# Altium PCB InsaneKeyboard.PcbDoc (part 3 of 5)
Units mil, origin at the board's own origin, x right, y up, seen from the top; angles counter-clockwise.
Board outline 7442.83 x 6333.68 mil, 2 copper layers (Top Layer, Bottom Layer), stack 61.756 mil thick; 289 components, 175 nets, 928 pads, 1163 vias.
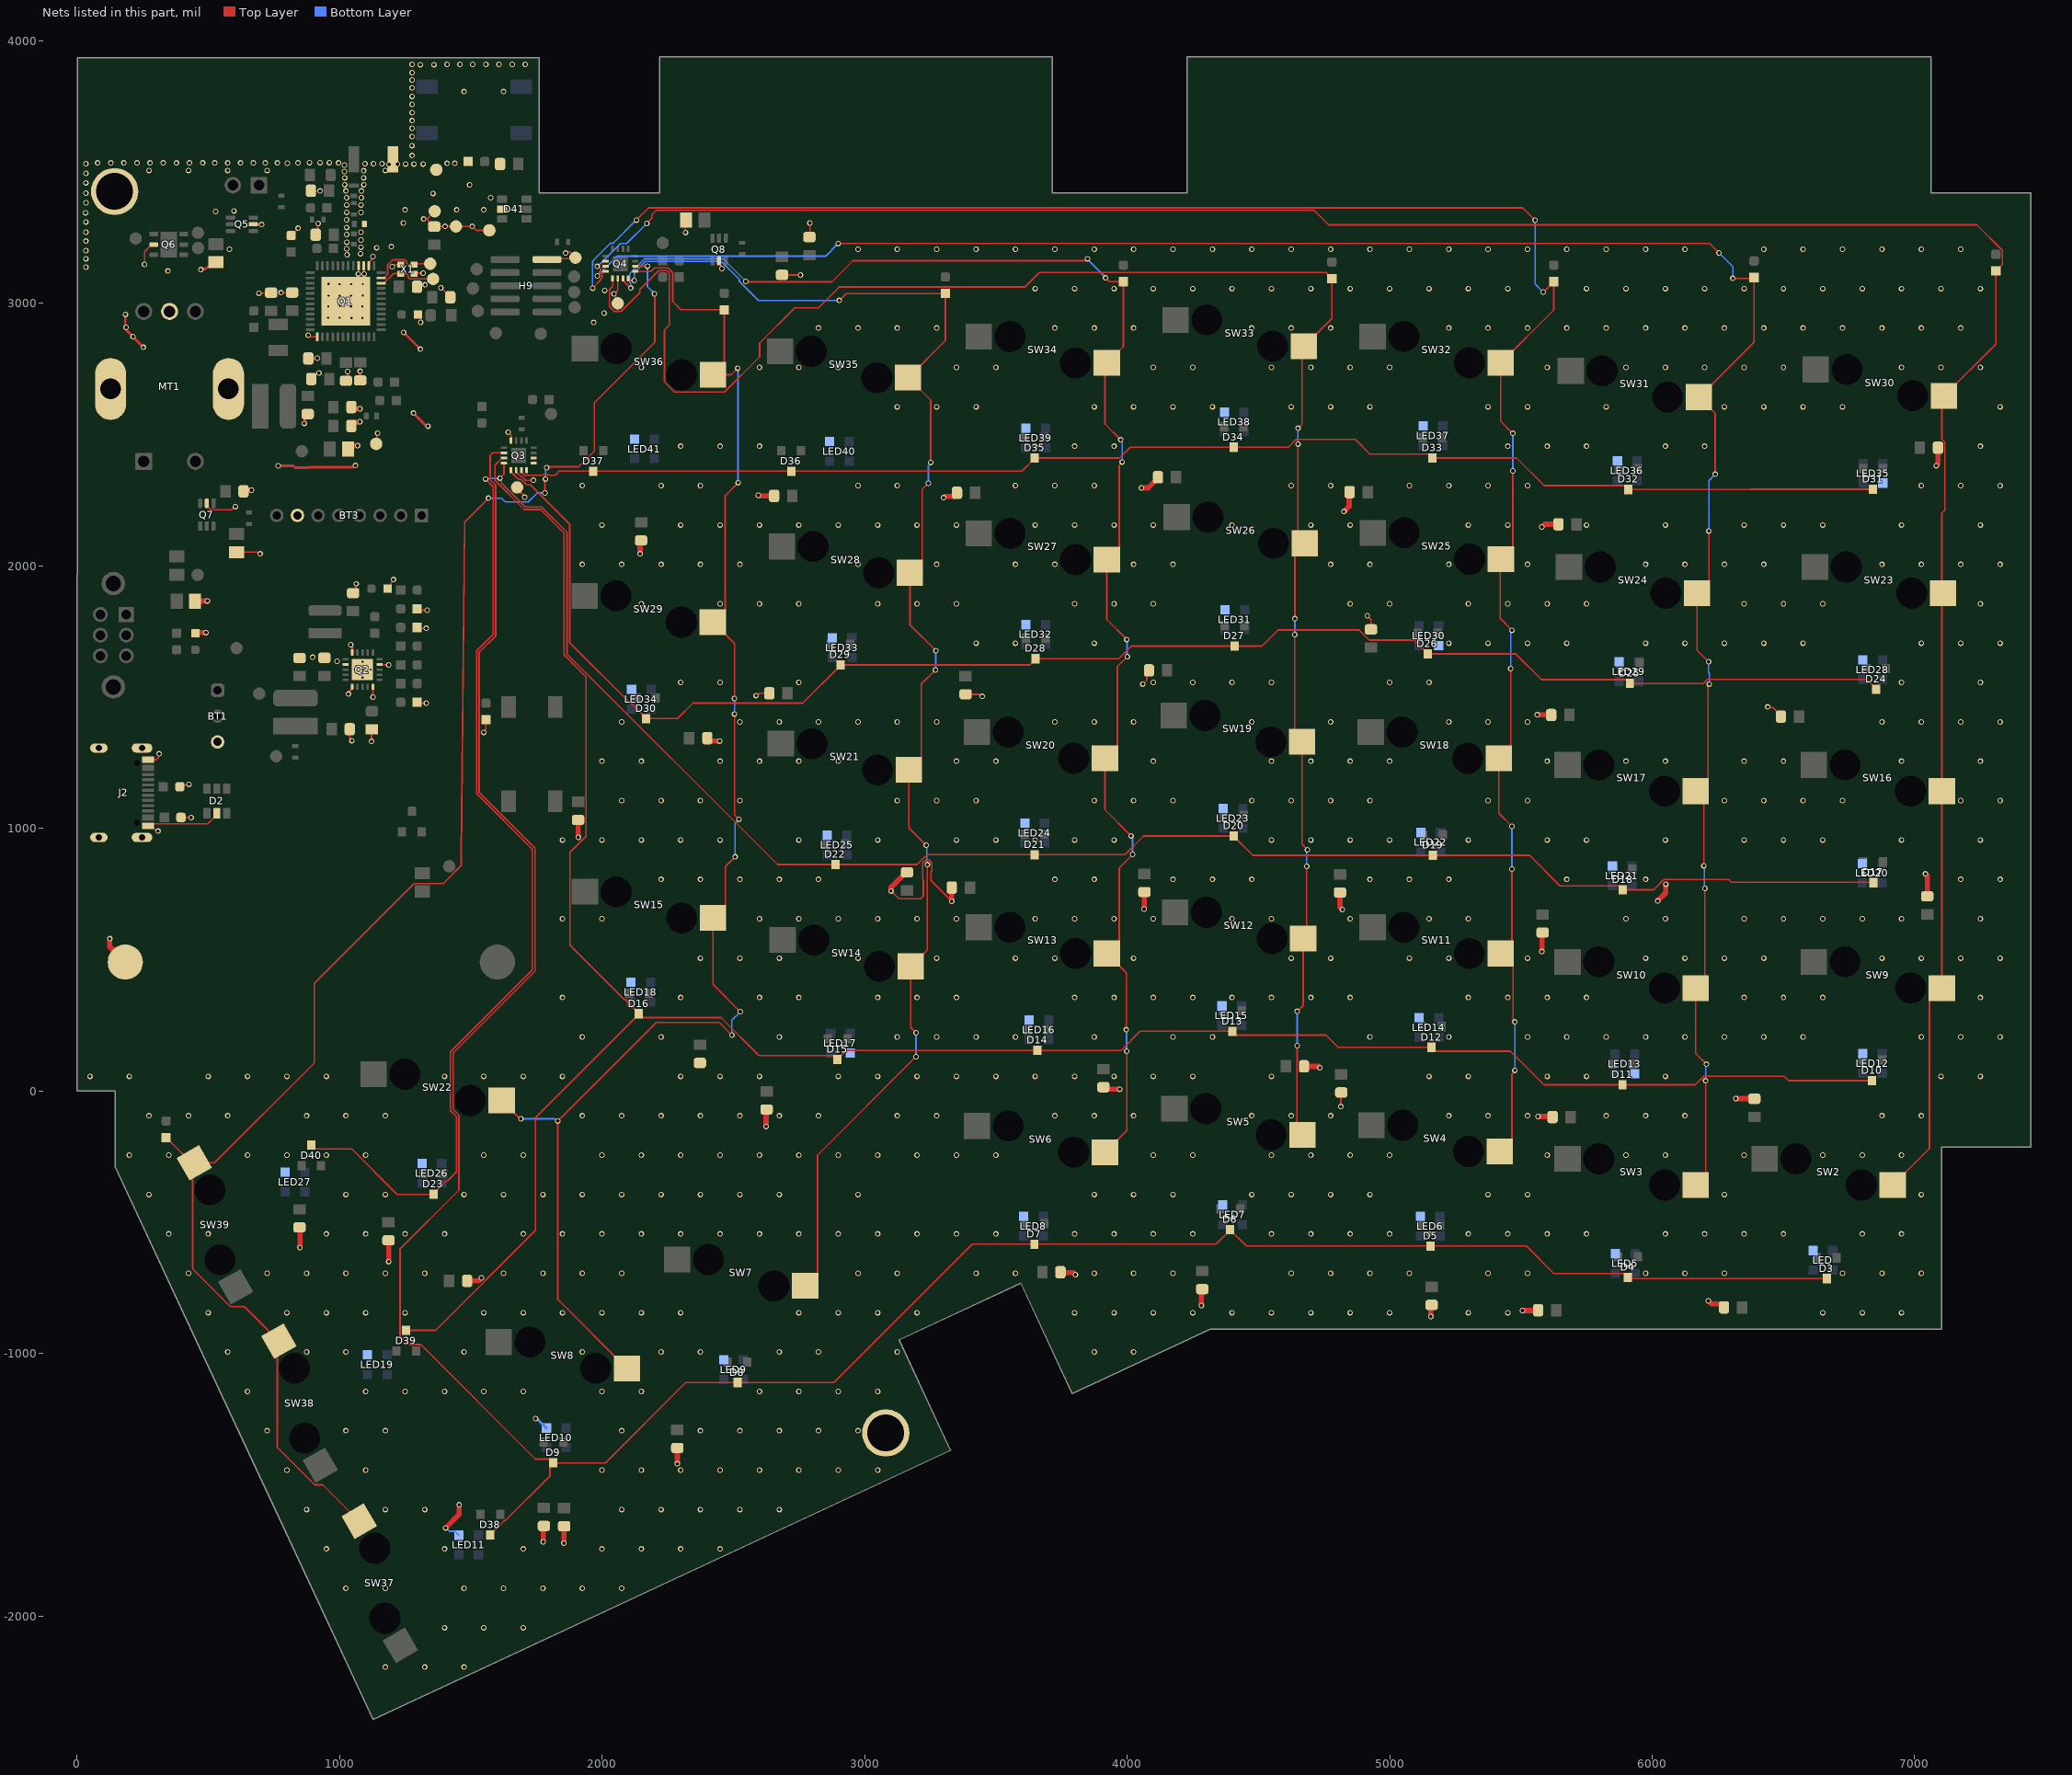
[diagram p3: the nets of this part, all layers, seen from the top]

## Via types
v1: diameter 21, hole 13, Top Layer to Bottom Layer, tented both sides, 1134 vias
v2: diameter 21, hole 13, Top Layer to Bottom Layer, 29 vias

## Nets (pads, with @x,y where several pads share a name; then routed paths per layer and width w, separated by ;. In a path a pad name is that pad's centre, name@x,y a point inside that pad or via, vN(x,y) a via of type N, cw(c..) or ccw(c..) an arc to the next point about the centre after c; other vN are vias at no path point) (continued)
GND: ATT1.GND BT1.3 BT2.N BT3.7 C1.2 C2.2 C3.2 C4.2 C5.2 C6.2 C7.2 C8.2 C9.2 C10.2 C11.2 C12.2 C13.2 C14.2 C15.2 C16.2 C17.2 C18.1 C19.2 C20.2 C21.2 C22.2 C25.2 C26.2 C27.2 C28.2 C29.2 C30.2 C31.2 C32.2 C33.2 C34.2 C35.2 C36.2 C37.2 C38.2 C39.2 C40.2 C41.2 C42.2 C43.2 C44.2 C45.2 C46.2 C47.2 C48.2 C49.2 C50.2 C51.2 C52.2 C53.2 C54.2 C55.2 C56.2 C57.2 C58.2 C59.2 C60.2 C61.2 C62.2 C63.2 C64.2 C65.2 C66.2 C67.2 C68.2 C69.2 C70.2 D2.2 D41.2 H1.1 H2.1 H9.2 J2.A1_B12 J2.B1_A12 J2.S1 J2.S2 J2.S3 J2.S4 LED1.C LED2.C LED4.C LED5.4-GND LED6.4-GND LED7.4-GND LED8.4-GND LED9.4-GND LED10.4-GND LED11.4-GND LED12.4-GND LED13.4-GND LED14.4-GND LED15.4-GND LED16.4-GND LED17.4-GND LED18.4-GND LED19.4-GND LED20.4-GND LED21.4-GND LED22.4-GND LED23.4-GND LED24.4-GND LED25.4-GND LED26.4-GND LED27.4-GND LED28.4-GND LED29.4-GND LED30.4-GND LED31.4-GND LED32.4-GND LED33.4-GND LED34.4-GND LED35.4-GND LED36.4-GND LED37.4-GND LED38.4-GND LED39.4-GND LED40.4-GND LED41.4-GND LED.4-GND MT1.COM MT1.S1 MT1.S2 Q1.14 Q1.15 Q1.16 Q1.37 Q1.49 Q2.1 Q2.5 Q2.9 Q2.15 Q2.17 Q2.21 Q3.6 Q3.16 Q4.6 Q5.2 Q6.2 Q7.2 Q8.2 R3.2 R6.1 R7.1 R9.2 R10.2 R15.1 R17.1 R38.1 TP1.1 TP22.1 TP25.1 TP28.1 TP29.1 TP30.1 TP31.1 TP32.1 X1.2 X1.4 | length 7843
  Top Layer w6: v1(125,579) v1@125.14,578.86 ; v1(258,3147) 258,3195.96 285.04,3223 Q6.2@292.91,3223 ; J2.A1_B12@271,1261.14 302.44,1261.14 310.13,1268.83 310.13,1280.13 v1(313,1283) ; v1(309.07,988.94) 306.19,991.81 299,991.81 281.63,1009.17 288.9,1016.44 498.01,1016.44 522.21,1040.65 522.21,1046.61 D2.2@532.99,1057.39 ; R9.2@392.49,1158.16 398.46,1164.13 424.13,1164.13 v1(427,1167) ; R10.2@396.49,1041.16 396.78,1040.87 434.87,1040.87 v1@435,1041 ; Q7.2@495,2237.31 495,2227.41 509.82,2212.59 588.83,2212.59 601.24,2225 v1(604,2225) ; C70.2@608,2051.35 687.56,2051.35 693.91,2045 v1@700,2045 ; Q5.2@672.31,3300 672.81,3299.5 703.5,3299.5 v1(704,3299) ; v1(692.91,3037.77) 738.32,3037.77 C10.2@740,3039.45 ; v1(778,3040) C11.2@820,3040 ; R3.2@816,3257.5 816,3257.75 843,3284.75 v1(843,3285) ; C56.2@848,-520.45 C56.2@850,-522.45 ; v1(881.16,2877.81) 885.22,2877.81 891.17,2871.87 Q1.37@914.5,2871.87 ; C4.2@891.55,3428 892.55,3427 v1(926.26,3427) ; C5.2@909.55,3260 910.55,3259 917.44,3265.89 917.44,3302.53 v1(918.48,3303.57) ; Q1.49@955.76,2944.1 956.26,2944.6 956.26,2986.6 Q1.49@957.26,2987.6 ; Q1.49@957.76,3028.1 957.26,3027.6 Q1.49@957.26,2987.6 ; Q1.49@999.76,3028.1 1000.26,3027.6 1000.26,2988.6 1000.76,2988.1 Q1.49@1000.26,2987.6 ; C12.2@1025,2704.55 1031,2710.55 v1(1031,2739) ; C17.2@1039.35,1376.91 1039.35,1344.44 1047,1336.79 v1@1047,1334 ; Q1.49@1044.76,2943.1 Q1.49@1044.26,2943.6 ; v1(1072,3111) Q1.16@1071.99,3142.33 ; Q1.49@1087.76,3029.1 1087.26,3028.6 1087.26,2987.6 1086.76,2987.1 Q1.49@1043.76,2987.1 ; Q1.15@1091.66,3142.34 1092.83,3141.17 1092.83,3112.17 v1(1094,3111) ; Q1.49@1111.35,3095.69 1043.76,3028.1 Q1.49@1043.76,2987.1 ; Q1.14@1111.35,3142.34 1111.35,3154.15 1124.71,3167.51 1124.71,3172.07 v1@1127.58,3174.94 ; v1@1122,1331 1122.5,1331.5 1122.5,1375.19 C18.1@1123.86,1376.55 ; Q2.5@1127.37,1539.04 1127.9,1538.51 1127.9,1500.1 v1@1128,1500 ; TP30.1@1140,2464 1142.75,2466.75 1142.75,2502.75 v1@1145,2505 ; Q2.9@1152.96,1623.68 1153.8,1622.84 1187.16,1622.84 v1(1188,1622) ; LED4.C@1184.5,1912 1197.24,1924.75 1197.24,1934.19 1206,1942.94 v1(1206,1947) ; C51.2@1187,-569.45 C51.2@1188,-570.45 ; v1(1201.52,3138.48) 1204.44,3138.48 1211.96,3146 X1.2@1233.9,3146 ; X1.4@1284.1,3112 1286.1,3114 v1(1319,3114) ; C2.2@1295.45,3062 1302.92,3069.47 v1(1326.25,3069.47) ; R15.1@1296.39,1479.91 1299.81,1476.5 1330.5,1476.5 v1@1331,1477 ; R17.1@1296.39,1764.58 1299.47,1761.5 1329.5,1761.5 v1@1330,1762 ; R7.1@1296.39,1835.74 1301.64,1830.5 1333.5,1830.5 v1@1334,1831 ; LED2.C@1299.5,2956 1309,2946.5 v1(1309,2926.94) ; v1(1321,3320) 1333.55,3320 1340.5,3313.05 1340.5,3311.72 1360.22,3292 v1(1506,3292) 1521,3277 TP25.1@1571,3277 ; 1333,3320 TP1.1@1363,3350 ; v1(1386,3058) 1388.19,3058 1421.13,3025.06 C3.2@1422.45,3025.06 ; v1(1550,1365) 1550,1369.06 1558,1377.06 R38.1@1558,1413.01 ; v1(1643,2508) 1643,2507.78 1653.47,2497.31 Q3.16@1653.47,2476.5 ; Q3.6@1673.16,2356.81 1691.35,2338.62 1696.89,2338.62 1710.01,2325.5 1737.5,2325.5 v1@1738,2326 ; TP32.1@1677,2298 1677,2293.06 1705.03,2265.03 v1@1705.03,2260.97 ; C61.2@1776,-1660.45 C61.2@1779,-1657.45 ; H9.2@1791,3166 1794.5,3169.5 TP28.1@1897.5,3169.5 ; C68.2@1855,-1659.45 C68.2@1856,-1658.45 ; v1(1861.29,3190.71) 1865.35,3190.71 1870.37,3195.72 1876.71,3195.72 TP28.1@1897.43,3175 ; C27.2@1909,1031.55 C27.2@1910,1030.55 ; TP29.1@2060,2999 2052.11,3006.89 2052.11,3024.83 2046,3030.94 v1(2046,3035) 2046.62,3035 2060.08,3048.46 2060.08,3093.42 Q4.6@2060.16,3093.5 ; C38.2@2145,2092.1 C38.2@2149,2096.1 ; v1(2318,3269) 2318,3314.65 C30.2@2320.35,3317 ; Q8.2@2446,3160.69 2446,3150.34 2454.13,3142.21 2454.13,3134.37 v1(2457,3131.5) ; v1(2587,1505) 2591.06,1505 2600.06,1514 C42.2@2637.55,1514 ; v1(2595,2268) v1@2597,2266 ; C53.2@2625,-73.45 C53.2@2627,-71.45 ; C29.2@2686,3107.55 2686.55,3107 v1(2756,3107) ; C26.2@2790,3251.45 2792,3253.45 v1(2792,3305) ; v1(3101,761) 3131,731 3214,731 3224.25,741.25 3224.25,803.38 3221.5,806.12 3221.5,868.25 3231.75,878.5 3246.25,878.5 3256.5,868.25 3256.5,836.87 3252.5,832.87 3252.5,801.5 v1(3332,722) ; C43.2@3385,1510.1 3435.84,1510.1 3443.94,1502 v1(3448,1502) ; C67.2@3746.45,-691 C67.2@3748.45,-693 ; C52.2@3910,13.55 C52.2@3917.2,6.35 ; v1@3971.65,6.35 v1(3972,6) ; v1(4060,1549) 4075.32,1564.32 4075.32,1592.77 C44.2@4083.55,1601 ; C66.2@4283,-758.45 C66.2@4286,-755.45 ; v1(4814,-60) 4814,-8.45 C65.2@4816,-6.45 ; v1(4915,1809) 4929,1795 C45.2@4929,1757.45 ; C64.2@5157,-818.45 C64.2@5160,-815.45 ; C63.2@5564.55,-837 C63.2@5565.55,-836 ; C46.2@5614.55,1432 C46.2@5615.55,1431 ; C62.2@5618.55,-98 C62.2@5620.55,-100 ; C60.2@6387.45,-29 C60.2@6389,-30.55 ; v1(6440,1462) 6442.01,1459.99 6459.5,1459.99 6490.55,1428.94 C31.2@6490.55,1425 ; Q1.49@957.26,2987.6 Q1.49@1000.26,2987.6 ; Q1.49@1000.26,2987.6 1000.26,2944.6 999.76,2944.1 1000.26,2943.6 Q1.49@1044.26,2943.6 ; Q1.49@1043.76,2987.1 1044.26,2986.6 Q1.49@1044.26,2943.6
  Top Layer w10: v1(184.66,2957) 184.66,2914.34 185.64,2913.36 185.64,2912.29 189.93,2908 v1@191,2908 ; v1(187.75,2907.2) 189.85,2905.1 189.85,2896.15 213.32,2872.68 213.32,2871.32 v1(253.2,2831.45) ; v1(472,3127.26) 474.1,3129.36 489.86,3129.36 498.37,3137.87 511.17,3137.87 C28.2@529,3155.71 ; v1(766.87,2380.5) 823.94,2380.5 831.06,2373.38 882.41,2373.38 884.03,2375 1052.02,2375 1058.21,2381.19 v1(1061.19,2381.19) ; v1(866,2542) 868.1,2544.1 868.1,2566.66 C6.2@879,2577.55 ; C13.2@881.55,2789 882.55,2788 883.55,2789 916,2789 917,2790 v1(916,2790) ; C9.2@892.55,2711 892.55,2712.32 912.13,2731.9 919.9,2731.9 v1(922,2734) ; v1(1034,1511) 1036.1,1513.1 1036.1,1519.98 1048.63,1532.5 Q2.1@1048.63,1539.04 ; v1(1043,1699) 1043,1696.02 1048.35,1690.67 1048.35,1669.24 Q2.15@1048.63,1668.96 ; C19.2@1052,1895.45 1061.9,1905.34 1061.9,1928.9 v1(1064,1931) ; C8.2@1079,2705.55 v1(1079,2740.26) ; v1(1244.38,2888.38) 1244.5,2888.38 1308.38,2824.5 v1(1308.5,2824.5) ; v1(1282.27,2580.93) 1329.5,2533.69 1335.05,2533.69 v1(1337.16,2531.59)
  Top Layer w20: v1@125.14,578.86 125.14,549.2 BT2.N@184.34,490 ; C22.2@450.5,1865.5 496.23,1865.5 496.73,1866 v1(497,1866) ; LED1.C@458.5,1745 v1(492,1745) ; C69.2@634.8,2283.39 638.84,2287.43 665.37,2287.43 v1(665.56,2287.62) ; v1(850,-597) 849.81,-596.81 849.81,-522.64 C56.2@850,-522.45 ; C25.2@1032.27,2444.62 1044.45,2456.81 1068.81,2456.81 v1(1069,2457) ; C21.2@1045.45,2532 1045.45,2535.94 1055.13,2545.62 1075.35,2545.62 1077.73,2548 v1(1078,2548) ; C20.2@1045.45,2604 1051.61,2597.84 1077.98,2597.84 v1(1078.17,2597.65) ; v1(1188,-651) 1187.81,-650.81 1187.81,-570.64 C51.2@1188,-570.45 ; v1(1404,-1665) 1455.81,-1613.19 1455.81,-1577.19 v1(1456,-1577) ; C55.2@1486.45,-724 1529.73,-724 1540.73,-713 v1(1541,-713) ; v1(1776,-1718) 1776.19,-1717.81 1776.19,-1660.64 C61.2@1776,-1660.45 ; v1(1855,-1723) 1855.19,-1722.81 1855.19,-1659.64 C68.2@1855,-1659.45 ; v1(1910,965) 1909.81,965.19 1909.81,1030.36 C27.2@1910,1030.55 ; v1(2145,2045) 2145.19,2045.19 2145.19,2091.91 C38.2@2145,2092.1 ; v1(2287,-1421) C57.2@2287,-1360.45 ; C41.2@2401,1343 2401,1341.88 2410.69,1332.19 2447.81,1332.19 v1(2448,1332) ; v1@2595.33,2267.67 2595.46,2267.81 2597.27,2266 C37.2@2655.55,2266 ; v1(2625,-136) 2625.19,-135.81 2625.19,-73.64 C53.2@2625,-73.45 ; v1(3101,761) 3101.19,761.19 3101.19,775.03 3158.06,831.9 C40.2@3162,831.9 ; v1(3301,2259) 3301.27,2259 3306.13,2263.86 3342.69,2263.86 3352.38,2273.55 C36.2@3352.38,2277.48 ; v1(3332,722) 3332.19,722.19 3332.19,773.64 C39.2@3332.55,774 ; C67.2@3748.45,-693 3795.42,-693 3802.73,-700.31 v1(3803,-700.31) ; C52.2@3917.2,6.35 3917.36,6.19 3971.54,6.19 v1@3971.67,6.33 ; v1(4055,2296) 4055.19,2296.19 4080.66,2296.19 4117.31,2332.85 C35.2@4117.31,2336.78 ; v1(4065,692) 4065.19,692.19 4065.19,756.29 C50.2@4066,757.1 ; v1(4283,-818) 4283.19,-817.81 4283.19,-758.64 C66.2@4283,-758.45 ; C58.2@4674,93 4729.23,93 4734.23,88 v1(4734.5,88) ; C49.2@4811,755.1 4811,699.27 4820,690.27 v1(4820,690) ; v1(4826,2206) 4826,2206.27 4846.11,2226.38 4846.11,2278.56 C34.2@4847.55,2280 ; v1(5157,-860) 5157.19,-859.81 5157.19,-818.64 C64.2@5157,-818.45 ; v1(5506,-837) 5506.19,-836.81 5564.36,-836.81 C63.2@5564.55,-837 ; v1(5562,1432) 5562.19,1431.81 5614.36,1431.81 C46.2@5614.55,1432 ; v1(5565,-98) 5565.19,-98.19 5618.36,-98.19 C62.2@5618.55,-98 ; v1(5580,530) 5580.19,530.19 5580.19,600.01 C48.2@5582.51,602.33 ; v1(5580,2147) 5580.27,2147 5590.77,2157.5 C33.2@5642.87,2157.5 ; v2(6021,723) 6051.81,753.81 6051.81,786.81 v2(6052,787) ; v1(6214,-800) 6214.27,-800 6225.65,-811.38 6263.87,-811.38 6273.55,-821.06 C59.2@6273.55,-825 ; v1(6318,-29.5) 6318.19,-29.69 6386.76,-29.69 C60.2@6387.45,-29 ; v1(7041,826) 7041,825.73 7048,818.73 C47.2@7048,740.9 ; v1(7082,2381) 7082,2381.27 7088.45,2387.72 C32.2@7088.45,2449
  Bottom Layer w6: v1(1404,-1665) 1405.81,-1665 1418.7,-1677.88 1439.88,-1677.88 LED11.4-GND@1454.6,-1692.6
  Bottom Layer w10: v1(1747,-1249) 1749.1,-1251.1 1755.1,-1251.1 LED10.4-GND@1788.6,-1284.6
  other v1: 1175,-2195 1325,-2195 1475,-2195 1400,-2045 1550,-2045 1700,-2045 1025,-1895 1175,-1895 1475,-1895 1625,-1895 1775,-1895 1925,-1895 2075,-1895 950,-1745 1400,-1745 1700,-1745 2000,-1745 2150,-1745 2300,-1745 2450,-1745 875,-1595 1175,-1595 1325,-1595 2075,-1595 2225,-1595 2375,-1595 2525,-1595 2675,-1595 800,-1445 1100,-1445 2000,-1445 2150,-1445 2300,-1445 2450,-1445 2600,-1445 2750,-1445 2900,-1445 3050,-1445 725,-1295 1025,-1295 1175,-1295 2075,-1295 2375,-1295 2525,-1295 2675,-1295 2825,-1295 2975,-1295 650,-1145 1100,-1145 1250,-1145 1400,-1145 1550,-1145 1700,-1145 2000,-1145 2150,-1145 2600,-1145 2750,-1145 2900,-1145 3050,-1145 575,-995 875,-995 1025,-995 1475,-995 1925,-995 2225,-995 2375,-995 2675,-995 2825,-995 3125,-995 3875,-995 4025,-995 500,-845 800,-845 950,-845 1100,-845 1250,-845 1550,-845 1700,-845 1850,-845 2000,-845 2150,-845 2300,-845 2750,-845 2900,-845 3050,-845 3200,-845 3800,-845 3950,-845 4100,-845 4250,-845 4400,-845 4550,-845 4700,-845 4850,-845 5000,-845 5300,-845 5450,-845 6650,-845 6800,-845 6950,-845 425,-695 725,-695 875,-695 1025,-695 1175,-695 1325,-695 1625,-695 1775,-695 1925,-695 2075,-695 2525,-695 2975,-695 3125,-695 3425,-695 3575,-695 3875,-695 4025,-695 4175,-695 4625,-695 4775,-695 4925,-695 5075,-695 5375,-695 5525,-695 5975,-695 6125,-695 6275,-695 6725,-695 6875,-695 7025,-695 350,-545 500,-545 950,-545 1100,-545 1250,-545 1400,-545 1700,-545 1850,-545 2000,-545 2150,-545 2300,-545 2450,-545 2600,-545 2750,-545 2900,-545 3050,-545 3200,-545 3350,-545 3500,-545 3800,-545 3950,-545 4100,-545 4250,-545 4550,-545 4700,-545 4850,-545 5000,-545 5150,-545 5300,-545 5450,-545 5600,-545 5750,-545 6050,-545 6200,-545 6350,-545 6500,-545 6800,-545 6950,-545 275,-395 1025,-395 1175,-395 1475,-395 1625,-395 1775,-395 1925,-395 2075,-395 2225,-395 2375,-395 2525,-395 2675,-395 2975,-395 3875,-395 4025,-395 4175,-395 4475,-395 4625,-395 4775,-395 4925,-395 5375,-395 5525,-395 6275,-395 7025,-395 200,-245 350,-245 650,-245 800,-245 950,-245 1100,-245 1550,-245 1700,-245 2000,-245 2150,-245 2300,-245 2450,-245 2600,-245 2750,-245 2900,-245 3050,-245 3200,-245 3350,-245 3500,-245 4100,-245 4250,-245 4550,-245 4700,-245 4850,-245 5000,-245 5600,-245 5900,-245 6050,-245 6350,-245 6650,-245 6800,-245 6950,-245 275,-95 425,-95 575,-95 875,-95 1025,-95 1175,-95 1925,-95 2075,-95 2225,-95 2375,-95 2525,-95 2675,-95 2825,-95 3125,-95 3275,-95 3725,-95 3875,-95 4025,-95 4475,-95 4625,-95 4775,-95 5225,-95 5375,-95 5525,-95 5825,-95 5975,-95 6125,-95 6875,-95 7025,-95 50,55 200,55 500,55 650,55 800,55 950,55 1400,55 1550,55 1700,55 1850,55 2300,55 2450,55 2600,55 2900,55 3050,55 3200,55 3350,55 3500,55 3650,55 3800,55 3950,55 4100,55 4250,55 4550,55 5150,55 5300,55 5600,55 5750,55 6050,55 7100,55 7250,55 1925,205 2225,205 2675,205 3125,205 3275,205 3425,205 3575,205 3875,205 4175,205 4325,205 4925,205 5225,205 5525,205 5675,205 5825,205 5975,205 6125,205 6275,205 6425,205 6575,205 7025,205 7175,205 7325,205 1850,355 2300,355 2600,355 2750,355 3050,355 3200,355 3350,355 3800,355 3950,355 4100,355 4250,355 4400,355 4550,355 4700,355 4850,355 5300,355 5450,355 5600,355 5750,355 6350,355 6500,355 6650,355 7250,355 2375,505 2525,505 2675,505 2975,505 3275,505 3575,505 3725,505 4025,505 4625,505 4775,505 5075,505 5225,505 5525,505 5975,505 6125,505 6275,505 6425,505 6875,505 7025,505 7175,505 7325,505 1850,655 2000,655 2600,655 2750,655 2900,655 3050,655 3200,655 3350,655 3650,655 3800,655 3950,655 4100,655 4400,655 4550,655 4850,655 5150,655 5300,655 5900,655 6050,655 6350,655 6500,655 6650,655 6800,655 6950,655 7250,655 2225,805 2375,805 2525,805 2675,805 2825,805 3725,805 3875,805 4175,805 4325,805 4475,805 4925,805 5075,805 5225,805 5675,805 5975,805 7175,805 7325,805 1850,955 2000,955 2150,955 2300,955 2450,955 2750,955 3050,955 3350,955 3500,955 3650,955 3800,955 3950,955 4550,955 4700,955 4850,955 5000,955 5300,955 5600,955 5750,955 6050,955 6350,955 6500,955 6650,955 6950,955 7250,955 435.42,1040.58 2075,1105 2225,1105 2375,1105 2525,1105 3125,1105 3275,1105 3425,1105 3875,1105 4025,1105 4175,1105 4475,1105 4625,1105 4775,1105 4925,1105 5375,1105 5525,1105 6275,1105 6425,1105 6575,1105 6725,1105 7175,1105 7325,1105 2000,1255 2150,1255 2450,1255 2600,1255 2750,1255 2900,1255 3350,1255 3500,1255 4100,1255 4550,1255 4700,1255 4850,1255 5000,1255 5600,1255 5900,1255 6050,1255 6350,1255 6500,1255 6950,1255 7250,1255 1122.5,1330.5 1047.5,1333.5 2075,1405 2525,1405 2675,1405 2825,1405 2975,1405 3125,1405 3275,1405 3725,1405 3875,1405 4025,1405 4475,1405 4775,1405 5225,1405 5375,1405 5525,1405 6875,1405 7025,1405 7175,1405 7325,1405 1331.5,1476.5 1128.42,1499.58 2300,1555 2450,1555 2750,1555 4100,1555 4250,1555 4400,1555 4550,1555 5000,1555 5150,1555 6950,1555 7250,1555 991,1636 898,1651 3425,1705 3575,1705 3875,1705 5225,1705 5375,1705 5525,1705 5675,1705 5975,1705 6125,1705 6275,1705 6425,1705 6575,1705 7025,1705 7175,1705 7325,1705 1330.5,1761.5 1334.5,1830.5 2150,1855 2450,1855 2600,1855 2750,1855 3050,1855 3200,1855 3350,1855 3800,1855 3950,1855 4100,1855 4850,1855 5000,1855 5300,1855 5450,1855 5600,1855 5750,1855 6350,1855 6500,1855 6650,1855 7250,1855 1925,2005 2075,2005 2225,2005 2375,2005 2525,2005 2975,2005 3275,2005 3575,2005 3725,2005 4025,2005 4175,2005 4775,2005 4925,2005 5225,2005 5525,2005 5975,2005 6125,2005 6275,2005 6425,2005 6875,2005 7025,2005 7175,2005 7325,2005 697.97,2045 2000,2155 2300,2155 2450,2155 2600,2155 2750,2155 2900,2155 3050,2155 3200,2155 3350,2155 3650,2155 3800,2155 3950,2155 4100,2155 4400,2155 4700,2155 4850,2155 5300,2155 5450,2155 5750,2155 6050,2155 6350,2155 6500,2155 6650,2155 6950,2155 7250,2155 1705.53,2260.47 1925,2305 2225,2305 2375,2305 2975,2305 3125,2305 3575,2305 3725,2305 3875,2305 4625,2305 4775,2305 5075,2305 5225,2305 5375,2305 5525,2305 7025,2305 7175,2305 7325,2305 1738.5,2325.5 2300,2455 2450,2455 2600,2455 3650,2455 3800,2455 3950,2455 5450,2455 5600,2455 5750,2455 6050,2455 6200,2455 7250,2455 1145.5,2504.5 3125,2605 3275,2605 3425,2605 3875,2605 4025,2605 4175,2605 4325,2605 4625,2605 4775,2605 4925,2605 5375,2605 5525,2605 5825,2605 6275,2605 6425,2605 6575,2605 6725,2605 7325,2605 2150,2755 2600,2755 2750,2755 2900,2755 3350,2755 3500,2755 4100,2755 4250,2755 4550,2755 4700,2755 4850,2755 5000,2755 5600,2755 5900,2755 6050,2755 6200,2755 6350,2755 6500,2755 6950,2755 7100,2755 7250,2755 214,2872 2825,2905 2975,2905 3125,2905 3275,2905 3725,2905 3875,2905 4025,2905 4475,2905 4625,2905 4775,2905 5225,2905 5375,2905 5525,2905 5675,2905 5825,2905 5975,2905 6125,2905 6275,2905 6425,2905 6575,2905 6725,2905 6875,2905 7025,2905 7175,2905 1968,2926 2008,2962 2010,3048 3650,3055 3800,3055 3950,3055 4100,3055 4250,3055 4400,3055 4550,3055 4700,3055 4850,3055 5000,3055 5150,3055 5300,3055 5450,3055 5750,3055 5900,3055 6050,3055 6200,3055 6350,3055 6500,3055 6650,3055 6800,3055 6950,3055 7100,3055 7250,3055 347,3122 34,3137 34,3169 1127.58,3176.97 1029,3184 1080,3188 34,3200 580.95,3204.95 2975,3205 3125,3205 3275,3205 3425,3205 3575,3205 3725,3205 3875,3205 4025,3205 4175,3205 4325,3205 4475,3205 4625,3205 4775,3205 4925,3205 5075,3205 5225,3205 5375,3205 5525,3205 5675,3205 5825,3205 5975,3205 6125,3205 6425,3205 6575,3205 6725,3205 6875,3205 7025,3205 7175,3205 1028,3207 1142,3211 1082,3213 1198,3215 1028,3232 34,3236 1082,3240 1027,3261 34,3270 1082,3270 1027,3288 1402.78,3292 1244,3305 34,3309 1027,3317 33,3344 1082,3345 1028,3346 528.95,3348.95 597.95,3350.95 1250,3355 1447,3355 1550,3355 1028,3374 1082,3374 35,3382 1027,3401 1083,3401 1576,3401 1356.34,3417.55 34,3419 1025,3427 1084,3427 1496,3450 1020,3451 1093,3451 34,3458 1020,3477 1092,3477 34,3494 1019,3501 1092,3504 275,3505 425,3505 575,3505 725,3505 1175,3505 1019,3526 1189,3528 1221,3529 1252,3530 1284,3530 1319,3530 34,3531 1097,3531 1130,3531 1162,3531 1410,3532 1439,3532 802,3533 79,3534 129,3534 179,3534 229,3534 279,3534 329,3534 379,3534 429,3534 479,3534 525,3534 575,3534 624,3534 672,3534 718,3534 764,3534 842,3534 997,3534 886,3535 926,3535 962,3535 1277,3562 1276,3600 1277,3634 1277,3666 1277,3695 1277,3725 1277,3757 1277,3787 1475,3805 1625,3805 1277,3820 1277,3850 1277,3878 1308,3908 1360,3908 1277,3909 1410,3909 1459,3909 1508,3909 1558,3909 1608,3909 1658,3909 1708,3909
HFXTAL_N: Q1.10 TP2.1 X1.3 | length 226.4
  Top Layer w6: Q1.10@1158,3076 1169.81,3076 1205.81,3112 1256.4,3112 1262.05,3106.35 1262.05,3099.15 1268.58,3092.62 1356.38,3092.62 TP2.1@1357,3092
HFXTAL_P: Q1.11 TP3.1 X1.1 | length 239.2
  Top Layer w6: Q1.11@1169.81,3095.69 1184.02,3109.89 1184.02,3145.73 1202.78,3164.5 1250.3,3164.5 1255.95,3158.85 1255.95,3151.65 1261.6,3146 X1.1@1284.1,3146 1288.1,3150 TP3.1@1346,3150
IO_COL_P0: Q4.2 R16.1 SW2.2 SW9.2 SW16.2 SW23.2 SW30.2 | length 9297.6
  Top Layer w6: v1(1981.82,3139.59) 1984.69,3142.46 1989.43,3142.46 2006.81,3159.84 Q4.2@2013.5,3159.84 ; v1(2170.66,3303.31) 2190.08,3322.73 2190.08,3336.39 2206.63,3352.94 4712.69,3352.94 4767.63,3298 7236.64,3298 7333.72,3200.92 7333.72,3147.22 R16.1@7309,3122.5 7309,2844.08 SW30.2@7111.92,2647 ; SW2.2@6916.85,-358.96 7056.17,-219.64 7056.17,344.83 7102.38,391.04 SW9.2@7103.36,391.04 SW16.2@7103.36,1141.05 7103.36,1890.43 SW23.2@7107.94,1895 7103.36,1899.57 7103.36,2199.6 7115.13,2211.37 7115.13,2469.76 7103.36,2481.53 7103.36,2639.43 SW30.2@7110.94,2647
  Bottom Layer w6: v1(1981.82,3139.59) 1983.18,3139.59 2070.24,3226.64 2093.99,3226.64 v1(2170.66,3303.31)
IO_COL_P1: Q4.3 R19.1 SW3.2 SW10.2 SW17.2 SW24.2 SW31.2 | length 8292.5
  Top Layer w6: v1(1982.5,3103.75) 1982.5,3107.81 1990,3115.31 1990,3118.69 1994.69,3123.38 1994.69,3127.74 1996.42,3129.47 1996.42,3129.77 2006.81,3140.16 Q4.3@2013.5,3140.16 ; v1(2899.73,3226.62) 6218.91,3226.62 v1(6254.52,3191) ; SW3.2@6165.86,-358.96 6204,-320.82 v1(6204,38) ; v1(6197,857) 6197,1110.89 6166.84,1141.05 6213.05,1187.26 6213.05,1540 6218,1544.94 v1(6218,1549) ; v1(6201,771) 6201,426.18 SW10.2@6165.86,391.04 6165.86,142.14 v1(6207,101) ; v1(6215,1634) 6170.94,1678.06 SW24.2@6170.94,1895 6216,1940.06 v1(6216,2132) ; v1(6240.06,2347.94) 6240.06,2580.86 6178.92,2642 6388,2851.08 R19.1@6388,3097.5 6384.5,3094 v1(6307,3094)
  Bottom Layer w6: v1(1982.5,3103.75) 2057.25,3178.5 2851.61,3178.5 v1(2899.73,3226.62) ; v1(6197,857) 6199,855 6199,773 v1(6201,771) ; v1(6204,38) 6204,93.94 6207,96.94 v1(6207,101) ; v1(6215,1634) 6215,1593 6218,1590 v1(6218,1549) ; v1(6216,2132) 6216,2323.88 v1(6240.06,2347.94) ; v1(6254.52,3191) 6307,3138.52 v1(6307,3094)
IO_COL_P2: Q4.4 R20.1 SW4.2 SW11.2 SW18.2 SW25.2 SW32.2 | length 7785.2
  Top Layer w6: v1(1965,3057) 1965,3058.25 1995.5,3088.75 1995.5,3092 2000,3096.5 2000,3113.66 2006.81,3120.47 Q4.4@2013.5,3120.47 ; v1(2130.81,3316.22) 2177.53,3362.94 5506.56,3362.94 v1(5554,3315.5) ; SW4.2@5419.92,-231 5466.13,-184.79 5466.13,63.08 5477,73.94 v1(5477,78) ; v1(5461,1608) 5461,1311.2 SW18.2@5415.85,1266.05 5415.85,1057.15 v1(5466,1007) ; v1(5466,844.5) 5466,564.97 5423.91,522.88 5470.12,476.66 5470.12,272.94 5477,266.06 v1(5477,262) ; v1(5466,1754) 5420.94,1799.06 5420.94,2022 5469,2070.06 v1(5469,2361) ; v1(5469,2504) 5422.93,2550.07 5422.93,2771.91 5625,2973.98 R20.1@5625,3081.5 5585.5,3042 v1(5585,3042)
  Bottom Layer w6: v1(1965,3057) 1964.32,3057.68 1964.32,3146.84 1965,3147.52 1965,3160.5 2032.24,3227.73 2042.33,3227.73 v1(2130.81,3316.22) ; v1(5461,1608) 5461,1744.94 5466,1749.94 v1(5466,1754) ; v1(5466,844.5) v1(5466,1007) ; v1(5469,2361) v1(5469,2504) ; v1(5477,78) v1(5477,262) ; v1(5554,3315.5) 5554,3073 v1(5585,3042)
IO_COL_P3: Q4.5 R21.1 SW5.2 SW12.2 SW19.2 SW26.2 SW33.2 | length 7013.7
  Top Layer w6: Q4.5@2040.47,3093.5 2040.47,3063.71 2028.5,3051.74 2028.5,2987.19 2047.32,2968.38 2072.68,2968.38 2144.38,3040.07 2144.38,3052.02 2216.08,3123.72 2246.93,3123.72 2256.22,3114.43 2256.22,2916.17 2237.95,2897.89 2237.95,2699.64 2276.64,2660.95 2466.19,2660.95 2600.6,2795.35 2600.6,2847.9 2735.01,2982.31 2824.86,2982.31 2903.77,3061.22 3610.27,3061.22 3665.75,3116.71 4756.8,3116.71 R21.1@4780,3093.5 4780,2942.08 4665.85,2827.93 4665.85,2537.85 v1(4651,2523) ; v1(4638.64,1737.5) 4638.64,1356.16 4665.85,1328.95 4665.85,939.15 v1(4687,918) ; v1(4639,1798) 4639,2047.06 SW26.2@4672.44,2080.5 ; v1(4648,172) 4648,114.44 4647.31,113.76 4647.31,-147.38 SW5.2@4667.94,-168 ; v1(4648,302.5) 4670.94,325.44 SW12.2@4670.94,580 4684,593.06 v1(4684,855) ; v1(4651,2463) 4651,2101.94 SW26.2@4671.94,2081
  Bottom Layer w6: v1(4638.64,1737.5) 4638.82,1737.68 4638.82,1797.82 v1(4639,1798) ; v1(4648,172) v1(4648,302.5) ; v1(4651,2463) v1(4651,2523) ; v1(4684,855) 4684,910.94 4687,913.94 v1(4687,918)
IO_COL_P4: Q4.7 R22.1 SW6.2 SW13.2 SW20.2 SW27.2 SW34.2 | length 5719.7
  Top Layer w6: Q4.7@2079.84,3086.81 2109.4,3057.25 v1(2109.75,3057.25) ; v1(2548,3082.5) 2549.63,3080.87 2875.33,3080.87 2955.96,3161.5 v1@3845.5,3161.5 ; SW6.2@3916.83,-233.96 3999,-151.79 v1(3999,151) ; v1(3918,3096) 3932.5,3081.5 R22.1@3986,3081.5 3986,2834.08 3915.84,2763.92 3915.84,2539.81 v1(3976,2479.66) ; v1(3981,2395) 3981,2390.94 3970.11,2380.05 3970.11,2069.1 3922.92,2021.9 3922.92,1795.08 v1(3999,1719) ; v1(3997,232.16) 3997,449.78 3923.9,522.88 3970.11,569.09 3970.11,849.11 v1(4021,900) ; v1(4001,1653.35) 3963.04,1615.38 3963.04,1312.26 3915.84,1265.07 3915.84,1070.16 v1(4015,971)
  Bottom Layer w6: v1(2109.75,3057.25) 2109.75,3074.5 2105.53,3078.72 2105.53,3112.42 2161.61,3168.5 2462,3168.5 v1(2548,3082.5) ; v1(3849.02,3169) 3849.02,3166.99 3918,3098.01 v1(3918,3096) ; v1(3976,2479.66) 3976,2475.6 3981,2470.6 v1(3981,2395) ; v1(3997,232.16) 3998,231.16 3998,152 v1(3999,151) ; v1(3999,1719) 4000,1718 4000,1654.35 v1(4001,1653.35) ; v1(4015,971) 4015,966.94 4021,960.94 v1(4021,900)
IO_COL_P5: Q4.8 R23.1 SW7.2 SW14.2 SW21.2 SW28.2 SW35.2 | length 5561.7
  Top Layer w6: Q4.8@2099.53,3088.09 2101.65,3085.97 v1(2123.03,3085.97) ; SW7.2@2774.92,-743 2821.13,-696.79 2821.13,-244.87 v1(3196,130) ; v1(2904,3010) 2930.5,3036.5 R23.1@3308,3036.5 3308,2857.14 3166.82,2715.96 3252,2630.78 v1(3252,2393) ; v1(3196.45,220.55) 3175.94,241.06 3175.94,473.02 3239,536.08 v1(3239,861) ; v1(3235,935) 3168.94,1001.06 3168.94,1221.02 3216.13,1268.21 3216.13,1548.67 v1(3270,1602.54) ; v1(3243.05,2313.95) 3220.11,2291.01 3220.11,2019.1 3172.91,1971.9 3172.91,1775.09 v1(3272,1676)
  Bottom Layer w6: v1(2123.03,3085.97) 2123.03,3115.78 2165.75,3158.5 2454.75,3158.5 2523.82,3089.43 2523.82,3081.94 2595.75,3010 v1(2904,3010) ; v1(3196,130) 3196.23,130.23 3196.23,220.32 v1(3196.45,220.55) ; v1(3235,935) 3237,933 3237,863 v1(3239,861) ; v1(3243.05,2313.95) 3243.05,2379.99 3252,2388.94 v1(3252,2393) ; v1(3270,1602.54) 3271,1603.54 3271,1675 v1(3272,1676)
IO_COL_P6: Q4.9 R24.1 SW8.2 SW15.2 SW22.2 SW29.2 SW36.2 | length 5699.4
  Top Layer w6: SW22.2@1618.92,-37 1688.92,-107 v1(1691,-107) ; SW8.2@2094.82,-1057.07 2093.83,-1057.07 1832,-795.24 v1(1832,-115) 2207.5,260.5 2446.5,260.5 v1(2495,212) ; Q4.9@2126.5,3120.47 2186.57,3120.47 2199.81,3133.72 2251.07,3133.72 2269.78,3115.01 2269.78,3005.47 2300.75,2974.5 R24.1@2466,2974.5 2466,2770.06 SW36.2@2422.94,2727 2492,2727 v1(2517,2752) ; v1(2505,1435) 2505,1051 v1(2522,1034) ; v1(2505,1494) 2505,1702.92 2422.92,1785 2469.13,1831.21 2469.13,2266.13 v1(2519,2316) ; v1(2507,891) 2470.13,854.13 2470.13,704.21 2422.94,657.02 2422.94,405.06 v1(2527,301)
  Bottom Layer w6: v1(1691,-107) 1819.94,-107 1827.94,-115 v1(1832,-115) ; v1(2495,212) 2495,269 v1(2527,301) ; v1(2505,1435) v1(2505,1494) ; v1(2507,891) 2507,1019 v1(2522,1034) ; v1(2517,2752) 2518,2751 2518,2317 v1(2519,2316)
IO_COL_P7: Q4.10 R25.1 SW37.2 SW38.2 SW39.2 | length 6330.2
  Top Layer w6: R25.1@340,-177.99 354.72,-192.71 436.5,-274.49 SW39.2@444.87,-274.49 ; SW37.2@1075.13,-1639.35 936.86,-1501.08 906.58,-1501.08 763.08,-1357.58 763.08,-1029.13 763.08,-960.08 SW38.2@769.67,-953.49 638.26,-822.08 584.58,-822.08 441.08,-678.58 441.08,-350.13 441.08,-281.08 SW39.2@447.67,-274.49 524.39,-274.49 904.28,105.4 904.28,409.3 1284.16,789.19 1395.5,789.19 1463.62,857.31 1463.62,892.65 1463.62,892.71 1476.98,2163.55 1477,2166 1478.73,2167.73 v1(1568,2257) ; v2(1783,2277) 1783,2328 v2(1785,2330) ; v2(1789,2373) 1791.87,2375.87 1798.87,2375.87 1799.5,2376.5 1911.09,2376.5 1971,2436.41 1971,2620 2201.38,2850.38 2201.38,3034.12 v1(2200,3035.5) ; Q4.10@2126.5,3140.16 2126.92,3140.58 2172.58,3140.58 v1(2173,3141)
  Bottom Layer w6: v1(1568,2257) 1618,2257 1632.03,2242.97 1719.1,2242.97 1753.12,2277 v2(1783,2277) ; v2(1785,2330) 1785,2369 v2(1789,2373) ; v1(2173,3141) 2173,3062.5 v1(2200,3035.5)
IO_ROW_P0: D3.3 D4.3 D5.3 D6.3 D7.3 D8.3 D9.3 D38.3 Q3.2 | length 10221.8
  Top Layer w6: D38.3@1575,-1691.37 1575,-1689.4 1627.06,-1637.35 1631.05,-1637.35 1802.25,-1466.14 1802.25,-1430.12 D9.3@1815,-1417.37 ; Q3.2@1626.5,2429.84 1583.76,2429.84 1575.81,2421.53 1574.14,2419.79 1574.14,2417.38 1574.14,2326.64 1595.5,2305.29 1595.5,1733.69 1532.5,1670.69 1532.5,1135.99 1744.65,923.84 1744.65,455.24 1432.95,143.54 1432.95,-71.74 1455.06,-93.86 1455.06,-378.19 1231.25,-602 1231.25,-933.25 1264.66,-966.65 1310.05,-966.65 1746.05,-1402.65 1802.25,-1402.65 1815,-1415.4 D9.3@1815,-1417.37 ; D6.3@4393,-528.37 D6.3@4393,-530.34 ; D3.3@6665,-715.37 5913,-715.37 D4.3@5908,-710.37 5908,-708.4 5895.25,-695.65 5625.4,-695.65 5521.12,-591.37 4454.03,-591.37 D6.3@4393,-530.34 ; D9.3@1815,-1417.37 2012.5,-1417.37 2318.5,-1111.37 2883.38,-1111.37 3410.38,-584.37 4338.97,-584.37 D6.3@4393,-530.34
IO_ROW_P1: D10.3 D11.3 D12.3 D13.3 D14.3 D15.3 D16.3 D39.3 Q3.3 | length 9011.5
  Top Layer w6: D39.3@1254,-912.63 1366.12,-912.63 1746.98,-531.76 1746.98,-102.32 D16.3@2140.6,291.29 ; Q3.3@1626.5,2410.16 1619.81,2410.16 1592.21,2382.56 1592.21,2325.34 1703.63,2213.92 1765.82,2213.92 1855.22,2124.53 1855.22,1660.89 1939.62,1576.49 1939.62,969.87 1877.87,908.12 1877.87,553.97 2084.55,347.28 2088.54,347.28 2140.6,295.23 D16.3@2140.6,291.29 ; D15.3@2897,119.63 D15.3@2897,121.6 ; D10.3@6838,38.63 6519.44,38.63 6502.57,55.5 6196.75,55.5 6163.88,22.63 5587.64,22.63 5459.36,150.91 5172.75,150.91 5160,163.66 D12.3@5160,165.63 4803.64,165.63 4757.36,211.91 4413.75,211.91 4401,224.66 D13.3@4401,226.63 4049.88,226.63 3976.88,153.63 2929.03,153.63 D15.3@2897,121.6 ; D16.3@2140.6,291.29 2153.35,278.54 2453.21,278.54 2597.4,134.35 2884.25,134.35 D15.3@2897,121.6
IO_ROW_P2: D17.3 D18.3 D19.3 D20.3 D21.3 D22.3 D23.3 D40.3 Q3.4 | length 9963.4
  Top Layer w6: D40.3@893,-206.63 893,-208.6 905.75,-221.35 1047.1,-221.35 1220.12,-394.37 D23.3@1358,-394.37 1358,-392.4 1405.91,-344.49 1409.9,-344.49 1445.06,-309.34 1445.06,-98 1422.95,-75.88 1422.95,147.68 1734.65,459.38 1734.65,919.7 1522.5,1131.84 1522.5,1674.83 1585.5,1737.83 1585.5,2301.14 v1(1556.64,2330) ; v1@1608.86,2330.86 1626.5,2348.5 Q3.4@1626.5,2390.47 ; v1@1610.97,2330 1616.65,2324.33 1616.65,2315.05 1707.77,2223.92 1769.97,2223.92 1866.87,2127.03 1866.87,1663.39 2668.62,861.63 3200.74,861.63 3238.27,899.16 3992.05,899.16 4063.05,970.16 D20.3@4407.05,970.16 4407.05,968.19 4478.61,896.63 5533.12,896.63 5649.4,780.35 5875.25,780.35 5888,767.6 D18.3@5888,765.63 6005.88,765.63 6044.75,804.5 6291.03,804.5 6301.28,794.25 6840.38,794.25 D17.3@6842,792.63
  Bottom Layer w6: v1(1556.64,2330) 1558.4,2331.76 1609.76,2331.76 v1(1611.52,2333.52)
IO_ROW_P3: D24.3 D25.3 D26.3 D27.3 D28.3 D29.3 D30.3 Q3.5 | length 6112.5
  Top Layer w6: Q3.5@1653.47,2363.5 1653.47,2356.81 1681.66,2328.62 1692.75,2328.62 1713.37,2308 1727.25,2308 1876.87,2158.39 1876.87,1706.74 2111.95,1471.65 2115.94,1471.65 2168,1419.6 D30.3@2168,1417.63 2287.88,1417.63 2346.75,1476.5 2764.84,1476.5 2908,1619.66 D29.3@2908,1621.63 3629.97,1621.63 3652,1643.66 D28.3@3652,1645.63 3968.54,1645.63 4016.54,1693.63 4513.88,1693.63 4575.25,1755 4884.01,1755 4922.33,1716.67 5093.93,1716.67 5145,1665.6 D26.3@5145,1663.63 5481.15,1663.63 5578.9,1565.88 5902.3,1565.88 5915.05,1553.13 D25.3@5915.05,1551.16 6195.41,1551.16 6210.75,1566.5 6818.1,1566.5 6853,1531.6 D24.3@6853,1529.63
IO_ROW_P4: D31.3 D32.3 D33.3 D34.3 D35.3 D36.3 D37.3 Q3.7 | length 5301.3
  Top Layer w6: Q3.7@1692.84,2363.5 1692.84,2356.81 1704.96,2344.69 1774.94,2344.69 1777.75,2347.5 1792.25,2347.5 1795.06,2344.69 1822.14,2344.69 1837.07,2359.63 3599.49,2359.63 3648.05,2408.19 D35.3@3648.05,2410.16 3971.41,2410.16 4012.41,2451.16 4614.41,2451.16 4643.75,2480.5 4869.21,2480.5 4924.84,2424.88 5150.3,2424.88 5163.05,2412.13 D33.3@5163.05,2410.16 5483.41,2410.16 5588.69,2304.88 5896.3,2304.88 5909.05,2292.13 D32.3@5909.05,2290.16 6374.6,2290.16 6375.44,2291 6840.63,2291 D31.3@6841,2290.63
IO_ROW_P5: Q3.8
IO_ROW_P6: Q3.9
IO_ROW_P7: Q3.10